# Altium PCB LimeSDR_Mini_1v3_Rounded_old.PcbDoc (part 4 of 6)
Units mm, origin at the board's own origin, x right, y up, seen from the top; angles counter-clockwise.
Board outline 69 x 31.37 mm, 8 copper layers (Top, L2, L3, L4, L5, L6, L7, Bottom), stack 1.555 mm thick; 420 components, 288 nets, 1774 pads, 821 vias.
Unrouted connection lines stored in the file: 4.
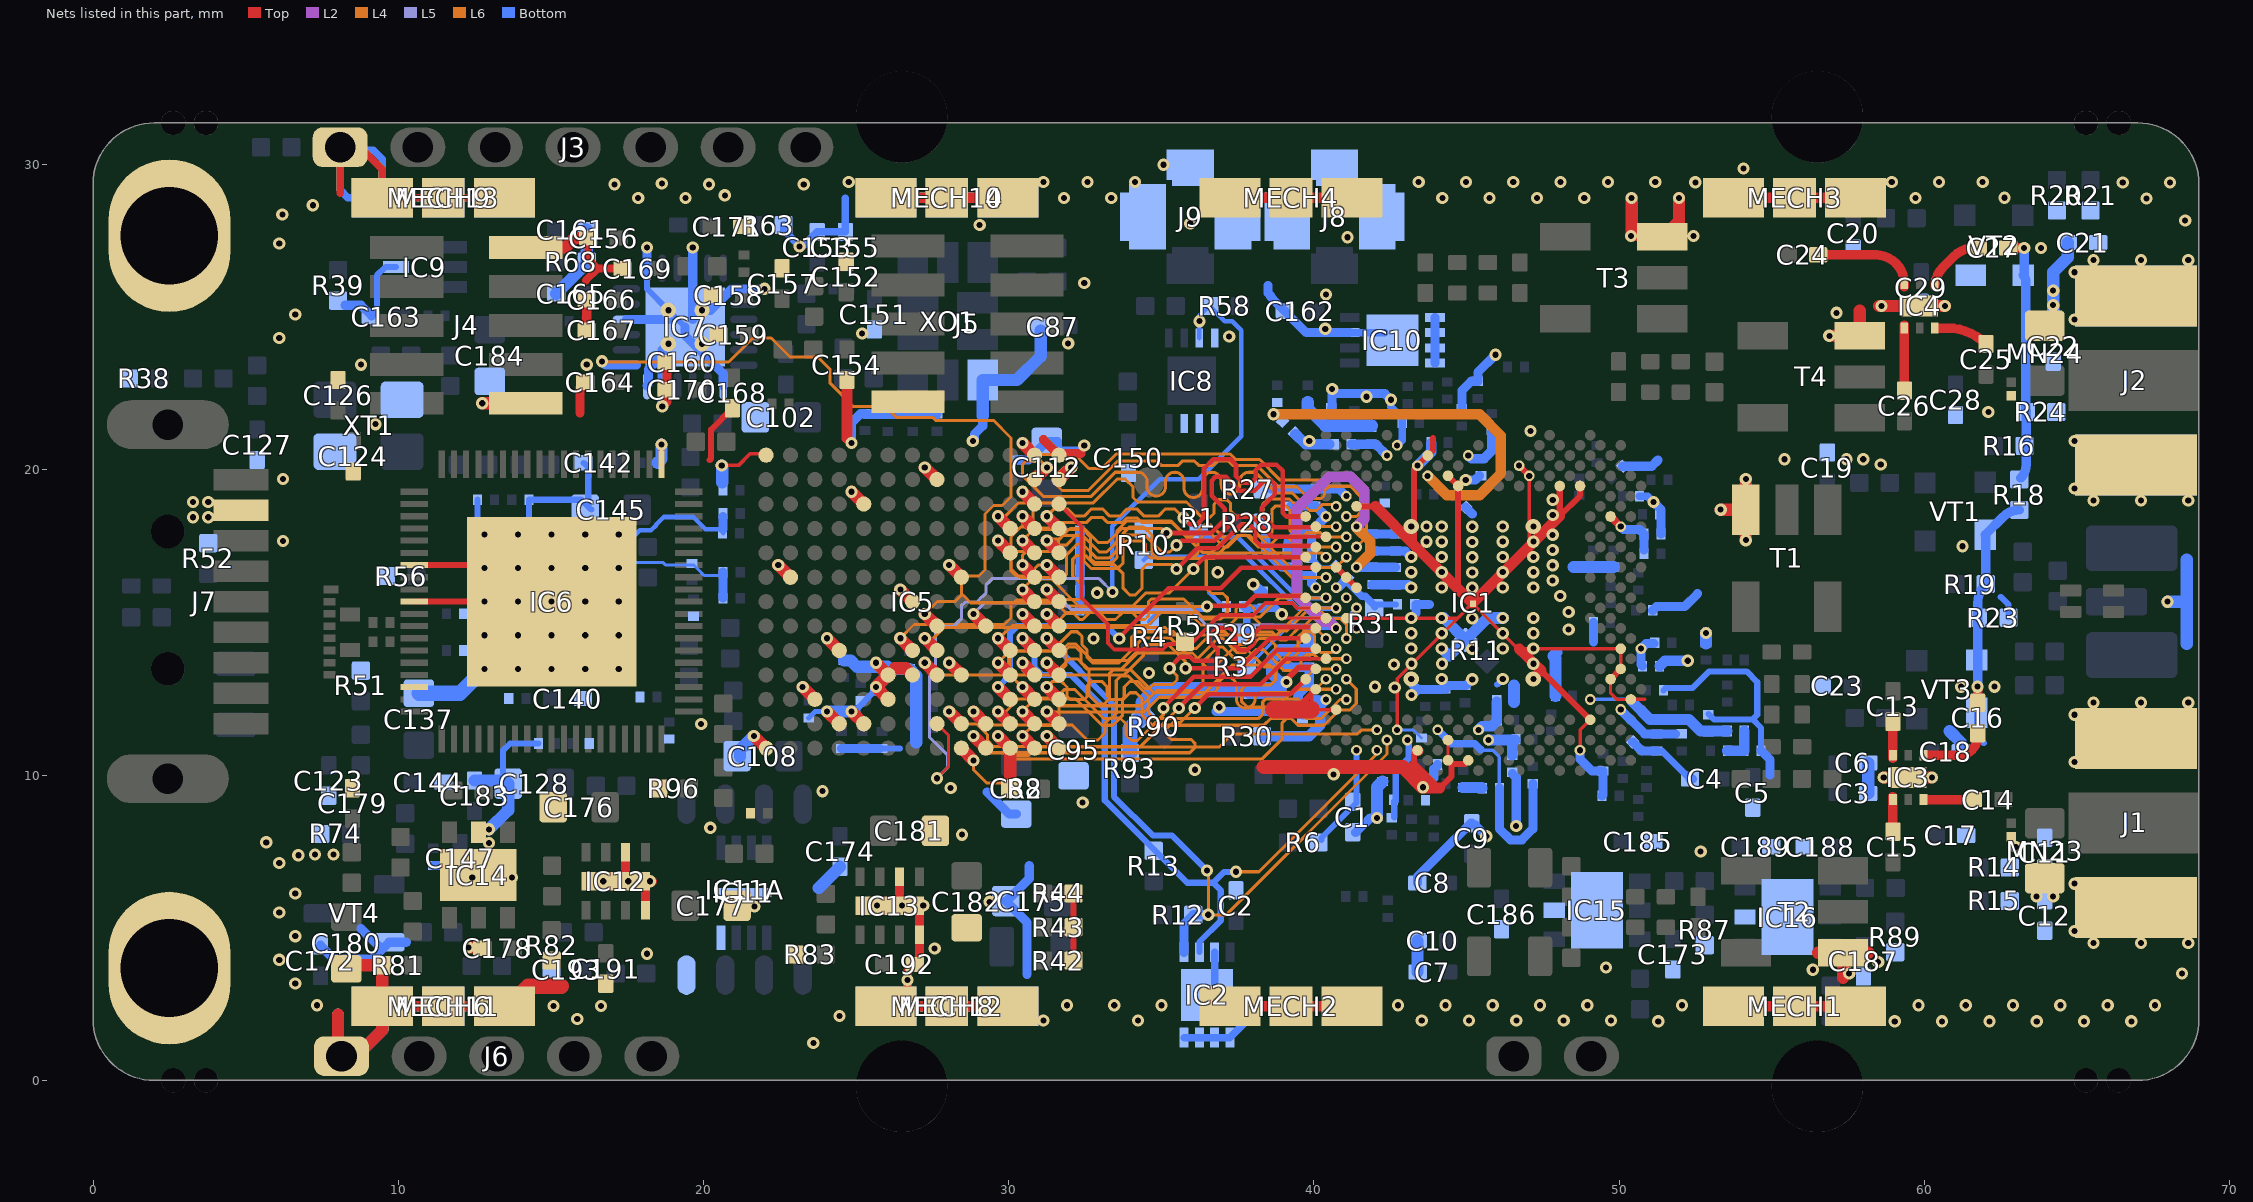
[diagram p10: the nets of this part, all layers, seen from the top]

## Via types
v1: diameter 0.4, hole 0.2, Top to Bottom, tented both sides, 601 vias
v2: diameter 0.4, hole 0.2, Top to Bottom, tented top, 99 vias
v3: diameter 0.35, hole 0.2, Top to Bottom, tented top, 79 vias
v4: diameter 0.5, hole 0.2, Top to Bottom, tented bottom, 25 vias
v5: diameter 0.35, hole 0.2, Top to Bottom, tented both sides, 9 vias
v6: diameter 0.5, hole 0.2, Top to Bottom, tented both sides, 8 vias

## Nets (pads, with @x,y where several pads share a name; then routed paths per layer and width w, separated by ;. In a path a pad name is that pad's centre, name@x,y a point inside that pad or via, vN(x,y) a via of type N, cw(c..) or ccw(c..) an arc to the next point about the centre after c; other vN are vias at no path point) (continued)
GND: C1.2 C2.2 C3.2 C4.1 C5.2 C6.1 C7.2 C8.2 C9.1 C10.1 C11.1 C12.2 C17.1 C18.1 C19.2 C20.2 C21.1 C22.2 C23.2 C28.1 C29.1 C30.2 C31.2 C32.2 C33.2 C34.2 C35.2 C36.2 C37.2 C38.2 C39.2 C40.2 C41.2 C42.2 C43.2 C44.2 C45.2 C46.2 C47.2 C48.2 C49.2 C50.2 C51.2 C52.2 C53.2 C54.2 C55.2 C56.2 C57.2 C58.1 C59.2 C60.2 C61.2 C62.2 C63.2 C64.2 C65.2 C66.2 C67.2 C68.2 C69.2 C70.1 C71.2 C72.2 C73.2 C74.2 C75.2 C76.2 C77.1 C78.2 C79.1 C80.2 C81.2 C82.2 C83.2 C84.2 C85.2 C86.2 C87.1 C88.1 C89.2 C90.2 C91.2 C92.2 C93.2 C94.2 C95.1 C96.2 C97.2 C98.2 C99.2 C100.2 C101.2 C102.1 C103.2 C104.2 C105.2 C106.2 C107.2 C108.1 C109.2 C110.2 C111.2 C112.1 C113.2 C114.2 C115.2 C116.2 C117.2 C118.2 C119.2 C120.2 C123.2 C124.2 C126.2 C127.2 C128.1 C129.1 C130.2 C131.1 C132.2 C133.1 C134.2 C135.1 C136.2 C137.1 C138.1 C139.2 C140.2 C141.2 C142.2 C143.2 C144.2 C145.1 C146.1 C147.2 C150.2 C151.1 C152.1 C153.1 C154.1 C155.1 C156.1 C157.1 C158.1 C159.1 C160.1 C161.1 C162.2 C163.2 C164.1 C165.1 C166.1 C167.1 C168.1 C169.1 C170.1 C171.1 C172.2 C173.1 C174.2 C175.1 C176.1 C177.1 C178.1 C179.1 C180.1 C181.1 C182.1 C183.1 C184.1 C185.1 C186.1 C187.1 C188.1 C189.1 C190.1 C191.2 C192.2 C193.1 C194.2 C195.2 ESD1.2 ESD2.2 IC1.AA31 IC1.AF32 IC1.AG29 IC1.AJ7 IC1.AJ9 IC1.AJ19 IC1.AK12 IC1.AK20 IC1.AL13 IC1.AL23 IC1.AM22 IC1.AN25 IC1.B18 IC1.B20 IC1.C7 IC1.C23 IC1.D20 IC1.E25 IC1.F6 IC1.G31 IC1.GND IC1.H2 IC1.J33 IC1.K4 IC1.L3 IC1.N3 IC1.T30 IC1.V30 IC1.W29 IC1.Y30 IC2.1 IC2.2 IC2.3 IC2.4 IC2.7 IC2.PAD IC3.PAD IC4.PAD IC5.A1 IC5.A13 IC5.B8 IC5.C3 IC5.D2 IC5.D5 IC5.E2 IC5.E11 IC5.F3 IC5.F4 IC5.G4 IC5.G7 IC5.H12 IC5.J4 IC5.L9 IC5.M6 IC5.N1 IC5.N13 IC6.1 IC6.26 IC6.29 IC6.36 IC6.77 IC7.1 IC7.7 IC7.11 IC7.12 IC7.16 IC7.19 IC7.22 IC7.25 IC8.4 IC8.5 IC8.6 IC8.7 IC9.5 IC10.1 IC10.2 IC10.3 IC10.4 IC10.7 IC10.PAD IC11.4 IC11.PAD IC11A.4 IC12.4 IC12.6 IC12.PAD IC13.4 IC13.6 IC13.PAD IC14.2 IC14.PAD IC15.2 IC15.PAD IC16.2 IC16.PAD J1.2 J2.2 J3.1 J4.2 J4.10 J5.9 J6.1 J7.4 J8.2 J9.2 MECH1.1 MECH2.1 MECH3.1 MECH4.1 MECH6.1 MECH8.1 MECH9.1 MECH10.1 MECH11.1 MECH12.1 MECH13.1 MECH14.1 NT1.2 pad.2 R10.2 R11.2 R23.1 R24.1 R38.1 R39.2 R42.1 R43.1 R44.1 R51.1 R52.1 R56.1 R63.1 R68.2 R74.1 R81.2 R82.1 R83.1 R87.1 R89.1 R96.2 T1.1 T2.3 T3.1 T4.1 VT2.1 VT3.1 VT4.S XO1.4 XT1.2 XT1.4 | length 348
  Top w0.11: 39.926,12.676 39.926,12.402 40.179,12.149 IC1.G31@40.731,12.149 ; IC1.T30@41.064,15.146 44.711,15.146 ; v5(42.729,11.483) 42.729,13.164 44.204,14.639 44.711,15.146 ; IC1.B20@44.394,10.484 IC1.D20@44.394,11.15 ; 47.058,17.493 v3(47.058,19.808) ; v5(48.723,10.817) 48.723,11.483 IC1.F6@49.056,11.816 ; IC1.K4@49.722,13.148 49.722,12.681 49.924,12.479 50.385,12.479 IC1.H2@50.388,12.482 50.849,12.482 ; IC1.L3@50.052,13.481 IC1.N3@50.052,14.047 ; IC1.N3@50.055,14.147 46.725,14.147 46.68,14.147 45.196,15.631 44.711,15.146
  Top w0.12: v1(20.6,20.15) 21.15,20.15 21.528,20.528 IC5.A13@22.007,20.528
  Top w0.2: IC6.29@10.525,15.685 IC6.77@12.512,15.685 ; IC6.26@10.525,16.885 12.725,16.885 v4(12.825,16.785) ; IC6.1@18.625,20.185 v1(18.625,20.835) ; 20.2,20.325 20.25,20.375 20.25,21.325 C168.1@20.95,22.025 ; R42.1@32.125,3.925 R44.1@32.125,6.125 ; 39.476,12.226 39.926,12.676 IC1.J33@40.065,12.815 ; IC1.AA31@40.731,16.811 IC1.Y30@41.064,16.478 IC1.W29@41.397,16.145 ; IC1.AG29@41.397,18.809 42.018,18.809 ; 43.278,10.298 43.278,10.67 IC1.C23@43.41,10.802 ; 43.278,17.549 43.278,20.024 v5(43.395,20.141) IC1.AM22@43.845,20.591 ; IC1.AM22@43.728,20.474 43.9,20.646 43.9,21.05 ; 44.124,9.578 44.511,9.965 IC1.B20@44.511,10.367 ; IC1.B20@44.394,10.484 IC1.B20@44.511,10.367 ; IC1.AK20@44.394,19.808 IC1.AJ19@44.727,19.475 44.727,16.1 ; IC1.B18@45.06,10.484 44.943,10.367 IC1.B20@44.511,10.367 ; v3(46.725,20.141) v3(47.058,19.808) ; 47.456,13.416 IC1.F6@49.056,11.816 ; IC1.AJ9@48.057,19.475 48.057,18.492 48.723,19.158 IC1.AJ7@48.723,19.475 ; IC1.K4@49.722,13.148 IC1.L3@50.055,13.481
  Top w0.25: 8.096,29.071 8.096,30.475 8.85,30.475 9.475,29.85 MECH9.1@9.475,28.925 MECH9.1@11.475,28.925 MECH9.1@13.475,28.925 ; 16.15,26.21 16.54,26.6 ; C156.1@16.225,27.6 16.225,26.915 16.54,26.6 ; C169.1@17.35,26.6 16.54,26.6
  Top w0.3: 15.95,21.875 15.95,22.7 C164.1@16.125,22.875 ; C167.1@16.175,24.575 C166.1@16.175,25.4 ; IC12.PAD@17.125,6.525 17.3,6.525 17.45,6.675 IC12.6@17.45,7.475 ; v1(17.535,6.525) v1@18.335,6.525 ; IC12.4@18.1,5.575 18.1,6.375 v1(18.25,6.525) ; v1(18.65,22.085) 18.8,22.235 C160.1@18.8,23.525 ; IC13.PAD@26.1,5.725 26.275,5.725 26.425,5.875 IC13.6@26.425,6.675 ; MECH8.1@26.686,3.042 v1(26.686,3.29) 26.686,3.561 27.075,3.95 27.075,5.312 ; IC13.4@27.075,4.775 IC13.PAD@27.075,5.85 ; 31.137,20.998 IC5.N13@31.65,20.485 ; IC5.N13@31.65,20.535 32.375,20.535
  Top w0.35: MECH6.1@9.475,2.425 MECH6.1@11.475,2.425 MECH6.1@13.475,2.425 ; 24.7,21.035 C154.1@24.7,22.95 ; MECH8.1@25.975,2.425 MECH8.1@27.975,2.425 MECH8.1@29.975,2.425 ; MECH10.1@25.975,28.925 MECH10.1@27.975,28.925 MECH10.1@29.975,28.925 ; MECH2.1@37.25,2.425 MECH2.1@39.25,2.425 MECH2.1@41.25,2.425 ; MECH4.1@37.25,28.925 MECH4.1@39.25,28.925 MECH4.1@41.25,28.925 ; 42.018,18.809 43.278,17.549 44.727,16.1 45.196,15.631 47.058,17.493 47.204,17.639 48.057,18.492 ; 42.925,10.271 42.925,10.178 43.525,9.578 44.124,9.578 ; 43.278,10.298 43.761,9.814 43.875,9.701 ; IC1.C23@43.395,10.817 IC1.C23@43.41,10.802 ; 46.725,14.147 46.956,13.916 47.206,13.666 47.456,13.416 ; MECH1.1@53.75,2.425 MECH1.1@55.75,2.425 MECH1.1@57.75,2.425 ; MECH3.1@53.75,28.925 MECH3.1@55.75,28.925 MECH3.1@57.75,28.925
  Top w0.4: 8.025,2.15 8.025,0.909 J6.1@8.139,0.795 8.62,0.795 9.475,1.65 MECH6.1@9.475,2.425 R81.2@9.475,3.775 C180.1@8.425,3.775 ; v1(12.3,4.35) 12.725,4.35 C178.1@12.75,4.325 ; v1(12.75,22.185) J4.10@14.175,22.185 ; J4.2@14.175,27.285 15.46,27.285 15.775,27.6 C156.1@16.225,27.6 ; v1(21.65,11.285) IC5.A1@22.05,10.885 ; v1(22.45,16.885) IC5.B8@22.85,16.485 ; v1(23.25,12.885) IC5.C3@23.65,12.485 ; v1(24.05,12.085) IC5.D2@24.45,11.685 ; v1(24.05,14.485) IC5.D5@24.45,14.085 ; v1(24.85,12.085) IC5.E2@25.25,11.685 ; v1(24.85,19.285) IC5.E11@25.25,18.885 ; v1(25.65,13.685) IC5.F4@26.05,13.285 ; IC5.F3@26.05,12.485 v1(25.65,12.885) IC5.F4@26.05,13.285 ; v1(26.45,16.085) IC5.G7@26.85,15.685 ; IC5.G4@26.85,13.285 26.635,13.5 26.265,13.5 IC5.F4@26.05,13.285 ; v1(27.25,20.085) IC5.H12@27.65,19.685 ; v1(28.05,13.685) IC5.J4@28.45,13.285 ; v1(29.65,17.685) IC5.L9@30.05,17.285 ; v1(30.45,15.285) IC5.M6@30.85,14.885 ; v1(31.25,11.285) IC5.N1@31.65,10.885 ; v1@50.415,27.695 v1@50.415,28.91 ; v1@50.515,27.695 51.515,27.695 51.96,28.14 v1(51.96,28.91) ; v1(53.33,18.7) T1.1@54.155,18.7 ; T1.1@54.155,17.875 T1.1@54.155,18.7 ; T1.1@54.155,19.525 T1.1@54.155,18.7 ; MECH3.1@55.6,28.775 MECH3.1@55.75,28.925 ; T2.3@56.515,4.18 T2.3@57.34,4.18 ; T4.1@57.065,24.395 T4.1@57.89,24.395 57.89,25.22 ; 57.34,3.355 T2.3@57.34,4.18 ; T2.3@58.165,4.18 T2.3@57.34,4.18 ; v1@58.525,25.375 v1(60.675,25.375) ; v1(58.675,9.925) IC3.PAD@59.425,9.925 ; IC3.PAD@59.5,9.925 v1(60.25,9.925)
  Top w0.45: 38.346,10.271 40.65,10.271 42.925,10.271
  Top w0.5: MECH6.1@13.475,2.298 14.257,3.08 15.35,3.08
  Top w0.6: 38.7,12.15 39.9,12.15
  Bottom w0.1: v4(17.225,16.785) 17.59,17.15 ; 17.5,16.975 18.665,16.975 18.75,16.89 19.675,16.89 19.825,16.74 20.03,16.535 20.645,16.535 C120.2@20.645,16.65 ; v5(42.729,11.483) 42.732,11.48 43.265,11.48 C56.2@43.525,11.22
  Bottom w0.11: C37.2@39.926,17.101 39.974,17.101 40.261,16.814 40.703,16.814 C31.2@40.703,16.844
  Bottom w0.15: 17.375,17.65 17.538,17.65 17.913,18.025 18.282,18.025 18.45,18.193 18.45,18.215 18.695,18.46 19.665,18.46 20.065,18.06 20.645,18.06 C104.2@20.645,17.925 ; 36.579,15.979 C36.2@37.032,15.526
  Bottom w0.17: C99.2@23.45,11.87 23.665,12.085 v1(24.05,12.085)
  Bottom w0.2: C163.2@9.125,25.05 9.3,25.225 9.3,26.375 9.575,26.65 IC9.5@9.925,26.65 ; C132.2@12.595,19.025 12.595,17.73 12.65,17.675 ; C128.1@13.425,9.825 13.425,10.8 13.66,11.035 C131.1@14.595,11.035 ; 14.28,18.155 C130.2@14.28,19.025 16,19.025 C145.1@16.225,18.8 ; C142.2@16.075,20.235 16.225,20.085 C145.1@16.225,18.8 ; C145.1@16.325,18.7 C145.1@16.225,18.8 ; IC7.19@18.15,26.61 18.15,25.935 v6(18.85,25.235) IC7.25@19.4,24.685 ; v1@24.943,12.085 v1@25.65,12.792 ; C111.2@25.85,10.87 26.43,10.87 ; 46.006,12.966 v1(46.191,13.151) ; C78.2@51.458,12.778 51.53,12.85 52.4,12.85 52.95,13.4 54.178,13.4 54.53,13.048 54.53,11.98 54.375,11.825 ; C50.2@52.925,12.005 53.105,11.825 54.375,11.825 ; C52.2@54.655,10.8 54.655,11.545 54.375,11.825 ; VT3.1@61.725,12.05 61.725,11.275 61.95,11.05 ; 62.507,15.841 62.762,15.586 R23.1@62.762,15.162
  Bottom w0.24: C41.2@51.246,10.791 51.409,10.791 C4.1@52.325,9.875
  Bottom w0.25: MECH13.1@13.475,28.925 MECH13.1@11.475,28.925 MECH13.1@9.475,28.925 ; R63.1@22.625,28.025 22.625,27.85 v1(23.15,27.325) 23.25,27.325 C153.1@23.725,27.8 C155.1@24.65,27.8 ; C110.2@24.525,10.86 C110.2@24.525,10.87 ; C155.1@24.65,27.818 24.65,28.9 ; IC2.4@35.75,1.4 IC2.3@36.25,1.4 IC2.2@36.75,1.4 IC2.1@37.25,1.4 37.825,1.975 ; IC2.PAD@36.75,3.05 IC2.7@36.75,4.2 ; IC10.7@41.175,24.5 IC10.PAD@42.325,24.5 ; v1(42.525,22.3) 42.525,22.077 42.895,21.707 C73.2@42.895,21.55 42.895,20.973 v5(42.729,20.807) ; C83.2@50.668,19.142 50.933,19.142 v1(51.125,18.95) ; MECH13.1@9.475,28.925 8.35,28.925 8.096,29.179 8.096,30.475 9.175,30.475 9.475,30.175 MECH13.1@9.475,28.925
  Bottom w0.3: C172.2@7.45,4.425 7.45,4.414 7.889,3.975 9.15,3.975 VT4.S@9.7,4.525 10.26,4.525 ; R39.2@8.25,25.4 8.775,25.4 C163.2@9.125,25.05 ; 8.775,4.975 VT4.S@9.325,4.425 ; C146.1@11.15,7.045 11.755,7.045 C147.2@12.025,6.775 ; IC7.16@17.475,24.935 IC7.25@18.85,24.935 ; IC7.12@18.15,22.76 18.2,22.81 18.2,23.3 IC7.25@18.65,23.75 ; IC7.19@18.15,26.61 v1(18.15,27.285) ; v1(18.65,22.085) IC7.11@18.65,22.76 IC7.25@18.65,23.935 ; IC7.25@19.4,24.685 19.4,24.401 20.65,23.151 IC7.7@20.65,22.76 ; IC7.25@19.65,24.935 IC7.22@19.65,26.61 v1(19.65,27.285) ; v6(19.95,25.235) 20.234,25.235 20.934,25.935 IC7.1@21.325,25.935 v1(22,25.935) ; C116.2@20.645,15.8 C120.2@20.645,16.65 ; C104.2@20.645,18.06 C105.2@20.645,18.475 ; C110.2@24.525,10.87 C111.2@25.775,10.87 ; v1(24.85,20.885) 24.85,21.55 25.151,21.851 C117.2@25.295,21.851 ; C117.2@25.27,21.826 C118.2@26.04,21.826 C114.2@26.86,21.826 27.646,21.826 C107.2@27.65,21.83 ; v1(28.825,20.95) 28.875,21 28.875,21.171 29.15,21.446 29.15,21.775 ; 29.3,9.45 30.025,8.725 C88.1@30.25,8.725 ; C103.2@30.275,20.33 30.645,20.33 C112.1@31.25,20.935 31.6,20.935 31.6,20.625 32.236,20.625 ; 30.6,3.475 30.6,5.175 C175.1@29.9,5.875 29.936,5.875 30.675,6.614 30.675,7.034 ; C100.2@32.33,18 32.335,17.995 C91.2@32.335,15.4 ; v1@36.79,12.091 38.151,12.091 C61.2@38.926,12.091 39.33,12.091 39.426,12.188 ; 38.5,26.05 38.5,25.795 38.575,25.72 38.575,25.689 38.65,25.614 38.65,25.6 C162.2@39.05,25.2 39.75,24.5 IC10.7@41.175,24.5 ; C62.2@39.094,13.534 C63.2@39.806,13.534 ; C38.2@39.151,17.376 39.151,17.646 39.509,18.004 39.926,18.004 ; C39.2@39.251,18.816 40.058,18.816 v5(40.398,18.476) 39.926,18.004 ; C33.2@39.646,11.968 39.426,12.188 ; C63.2@39.851,13.534 39.851,13.001 39.49,12.64 C34.2@39.49,12.441 39.49,12.252 39.426,12.188 ; C37.2@39.926,17.101 39.926,18.004 ; C51.2@40.575,22.038 40.6,22.063 v1(40.6,22.65) 40.749,22.501 42.324,22.501 v1(42.525,22.3) ; C1.2@41.375,8.125 41.846,8.596 v1(42.071,8.596) ; C64.2@41.901,16.241 43.101,16.241 v1(43.191,16.151) ; C53.2@41.901,17.341 43.001,17.341 v1(43.191,17.151) ; v1(43.191,15.151) 43.351,15.311 43.351,15.596 43.781,15.596 ; v1(43.2,12.625) 43.227,12.625 43.407,12.805 ; v6@43.227,12.985 43.407,12.805 ; C8.2@43.392,6.467 43.392,6.67 45.147,8.425 C9.1@45.175,8.425 ; C68.2@43.77,9.725 43.77,9.75 43.93,9.91 43.93,10.2 44.055,10.325 C195.2@44.055,10.35 ; IC10.4@43.975,23.5 IC10.3@43.975,24 IC10.2@43.975,24.5 IC10.1@43.975,25 ; C75.2@44.85,22.005 44.85,22.6 45.155,22.905 C86.2@45.375,22.905 45.375,23.2 v1(45.95,23.775) ; C59.2@44.971,18.779 45.191,18.559 ; v1(44.976,19.671) 45.281,19.671 C46.2@45.426,19.816 ; v1(45.191,13.141) 45.181,13.141 44.975,12.935 C194.2@44.95,12.935 44.431,12.935 44.327,12.831 C69.2@44.302,12.831 44.189,12.831 44.163,12.805 C70.1@43.65,12.805 43.407,12.805 ; C9.1@45.291,8.359 v1(45.65,8) ; C43.2@46.505,10.045 46.63,9.92 v1(46.63,8.33) ; v5(48.723,10.817) 48.723,10.527 49.11,10.14 C67.2@49.474,10.14 49.474,9.354 C190.1@49.445,9.325 ; 49.165,14.37 C66.2@49.165,15 ; C76.2@50.123,20.123 51.073,20.123 51.275,20.325 ; C80.2@50.449,11.089 50.747,10.791 C41.2@51.246,10.791 ; C58.1@51.105,15.4 51.23,15.525 52.15,15.525 52.575,15.95 ; v1(51.125,18.95) 51.38,18.695 C47.2@51.38,17.9 ; C4.1@52.325,9.875 C4.1@52.409,9.875 ; C52.2@54.655,10.8 54.95,10.505 54.95,10
  Bottom w0.35: MECH11.1@9.475,2.425 MECH11.1@11.475,2.425 MECH11.1@13.225,2.425 ; MECH12.1@25.975,2.425 MECH12.1@27.975,2.425 MECH12.1@29.975,2.425 ; MECH14.1@25.975,28.925 MECH14.1@27.975,28.925 MECH14.1@29.975,28.925 ; v1(38.015,16.253) 38.282,15.985 C35.2@38.325,15.985 ; C45.2@39.399,21.173 39.731,20.841 40.501,20.841 ; v5(43.395,20.141) 43.845,20.59 C74.2@43.845,20.871 ; v1(44.191,14.151) 44.441,13.901 R11.2@44.971,14.431 ; v1@44.252,15.151 R11.2@44.971,14.431 ; C55.2@44.875,9.595 45.5,9.595 C42.2@45.52,9.575 ; 45.691,15.151 R11.2@44.971,14.431 ; 47.85,13.9 47.975,14.025 ; C48.2@51.331,13.578 51.503,13.75 v1(52.25,13.75)
  Bottom w0.4: 8.025,2.15 8.025,0.909 J6.1@8.139,0.795 8.62,0.795 9.475,1.65 MECH11.1@9.475,2.425 ; C183.1@12.5,9.825 13.5,9.825 C128.1@13.6,9.725 13.6,8.85 v1(12.975,8.225) ; C165.1@15.175,25.775 16.175,26.775 R68.2@16.175,26.825 C161.1@16.175,27.875 ; C139.2@18.505,20.235 18.625,20.355 v1(18.625,20.835) ; v1(20.6,20.15) 20.615,20.135 20.615,19.585 ; C108.1@21.2,10.6 21.2,10.835 v1(21.65,11.285) ; 23.775,6.3 C174.2@24.475,7 ; v1(24.05,12.085) v1(24.85,12.085) v1@24.943,12.085 ; C98.2@24.6,13.755 24.826,13.755 25.026,13.555 26.025,13.555 C115.2@26.025,13.52 ; v1@25.65,12.792 v1(25.65,12.885) 26.243,13.478 26.75,13.478 26.97,13.258 26.97,11.075 ; 29.15,21.775 XO1.4@29.15,22.95 30.275,22.95 31.05,23.725 C87.1@31.05,24.573 ; v1(42.071,8.596) 42.071,9.611 C57.2@42.251,9.791 ; C7.2@43.4,3.55 C10.1@43.4,4.575 ; v1(44.191,15.151) v1@44.252,15.151 ; 45.691,15.151 v1(46.191,15.151) ; C44.2@46.555,12.4 46.555,12.93 ; 47.85,13.9 47.915,13.835 C79.1@47.915,12.6 ; 48.505,16.82 C77.1@49.15,16.82 C85.2@49.825,16.82 ; C81.2@52.85,14.325 v1(52.85,14.66) ; C3.2@58.165,9.4 C6.1@58.165,10.4 ; 60.825,11.45 61.2,11.075 C18.1@61.2,10.775 ; v1(67.975,15.685) 68.6,15.685 ; 68.6,14.3 68.6,15.685 ; 68.6,17.07 68.6,15.685
  Bottom w0.5: C137.1@10.675,12.685 12.025,12.685 v4(12.825,13.485)
  other v1: 23.6,1.225 51.285,1.935 59.035,1.935 60.585,1.935 62.135,1.935 63.685,1.935 65.235,1.935 66.785,1.935 31.135,1.96 34.235,1.96 43.535,1.96 45.085,1.96 46.635,1.96 48.185,1.96 49.735,1.96 15.865,2.01 24.46,2.11 15.09,2.435 16.64,2.435 7.34,2.46 31.91,2.46 33.46,2.46 35.01,2.46 42.76,2.46 44.31,2.46 45.86,2.46 47.41,2.46 48.96,2.46 52.06,2.46 59.81,2.46 61.36,2.46 62.91,2.46 64.46,2.46 66.01,2.46 67.56,2.46 6.625,3.175 57.54,3.505 68.45,3.5 56.35,3.625 49.575,3.7 58.49,3.88 6.1,3.95 18.15,4.15 27.575,4.325 65.55,4.5 67.1,4.5 68.65,4.5 6.625,4.725 64.925,4.895 6.1,5.5 21.675,5.7 25.69,5.725 26.51,5.725 27.2,5.725 29.375,5.85 6.625,6.125 64.925,6.445 16.715,6.525 12.425,6.65 13.725,6.65 6.1,7.125 6.725,7.375 7.275,7.4 7.875,7.4 52.675,7.5 63,7.65 12.975,7.775 5.675,7.8 28.475,8.05 20.225,8.275 32.425,9.1 23.9,9.475 28.1,9.575 43.575,9.603 40.65,10.028 36.1,10.178 64.925,10.43 19.925,11.675 64.925,11.98 36.9,12.225 65.55,12.375 67.1,12.375 68.65,12.375 42.65,12.875 42,12.9 61.2,12.9 62.3,12.9 44.191,13.151 34.6,13.35 42.625,13.625 43.2,13.65 44.2,13.65 47.191,13.651 43.191,14.151 45.191,14.141 46.191,14.151 47.191,14.151 32.775,14.475 43.191,14.651 44.191,14.651 46.191,14.651 47.191,14.651 48.35,14.775 45.191,15.141 47.191,15.151 48.35,15.35 48.075,15.875 32.9,15.975 45.191,16.141 44.191,16.151 46.191,16.151 47.191,16.151 47.825,16.375 45.191,16.641 36.85,16.65 43.191,16.651 44.191,16.651 46.191,16.651 47.191,16.651 47.825,16.875 44.191,17.151 45.191,17.141 46.191,17.151 47.191,17.151 47.825,17.375 61.25,17.5 43.691,17.651 44.191,17.651 45.191,17.641 46.191,17.651 47.191,17.651 6.225,17.67 54.155,17.7 47.825,17.875 45.191,18.141 43.691,18.151 44.191,18.151 46.191,18.151 3.275,18.45 3.775,18.45 47.826,18.521 3.275,18.95 3.775,18.95 65.55,19 67.1,19 68.65,19 47.826,19.021 64.925,19.395 6.225,19.7 54.155,19.7 58.575,20.175 55.425,20.35 57.45,20.35 58,20.35 32.475,20.8 39.85,20.953 64.925,20.945 47.1,21.275 9.25,21.5 62.1,21.9 41.725,22.4 8.775,23.45 16.175,23.45 31.95,24.15 6.1,24.32 37.225,24.375 56.89,24.395 25.2,24.475 40.375,24.625 64.925,24.93 6.625,25.095 57.125,25.15 58.6,25.375 40.4,25.75 32.475,26.125 64.925,26.48 65.55,26.875 67.1,26.875 68.65,26.875 63.825,27.275 6.1,27.42 41.1,27.625 50.39,27.67 52.44,27.67 29.05,28.025 35.95,28.075 68.55,28.175 6.2,28.375 7.2,28.675 17.86,28.91 19.41,28.91 31.81,28.91 33.36,28.91 44.21,28.91 45.76,28.91 47.31,28.91 48.86,28.91 50.41,28.91 59.71,28.91 67.28,28.895 62.63,28.92 20.7,29 17.085,29.36 20.185,29.36 23.285,29.36 18.635,29.385 52.5,29.425 66.505,29.42 68.055,29.42 24.76,29.435 31.135,29.435 32.585,29.435 34.135,29.435 43.435,29.435 44.985,29.435 46.535,29.435 48.085,29.435 49.635,29.435 51.185,29.435 58.935,29.435 60.485,29.435 61.915,29.435 54.075,29.875 35.075,30
  other v4: 13.925,13.485 15.025,13.485 16.125,13.485 17.225,13.485 12.825,14.585 13.925,14.585 15.025,14.585 16.125,14.585 17.225,14.585 12.825,15.685 13.925,15.685 15.025,15.685 16.125,15.685 17.225,15.685 13.925,16.785 15.025,16.785 16.125,16.785 12.825,17.885 13.925,17.885 15.025,17.885 16.125,17.885 17.225,17.885
  other v5: 41.064,15.812
  other v6: 43.191,13.151 47.191,13.151 43.191,18.151 47.191,18.151 18.85,24.135 19.95,24.135
LM75_OS: IC5.H2 IC8.3 R58.1 | length 28.1